# Altium PCB Shuttler_AMC.PcbDoc (part 8 of 12) (continued)
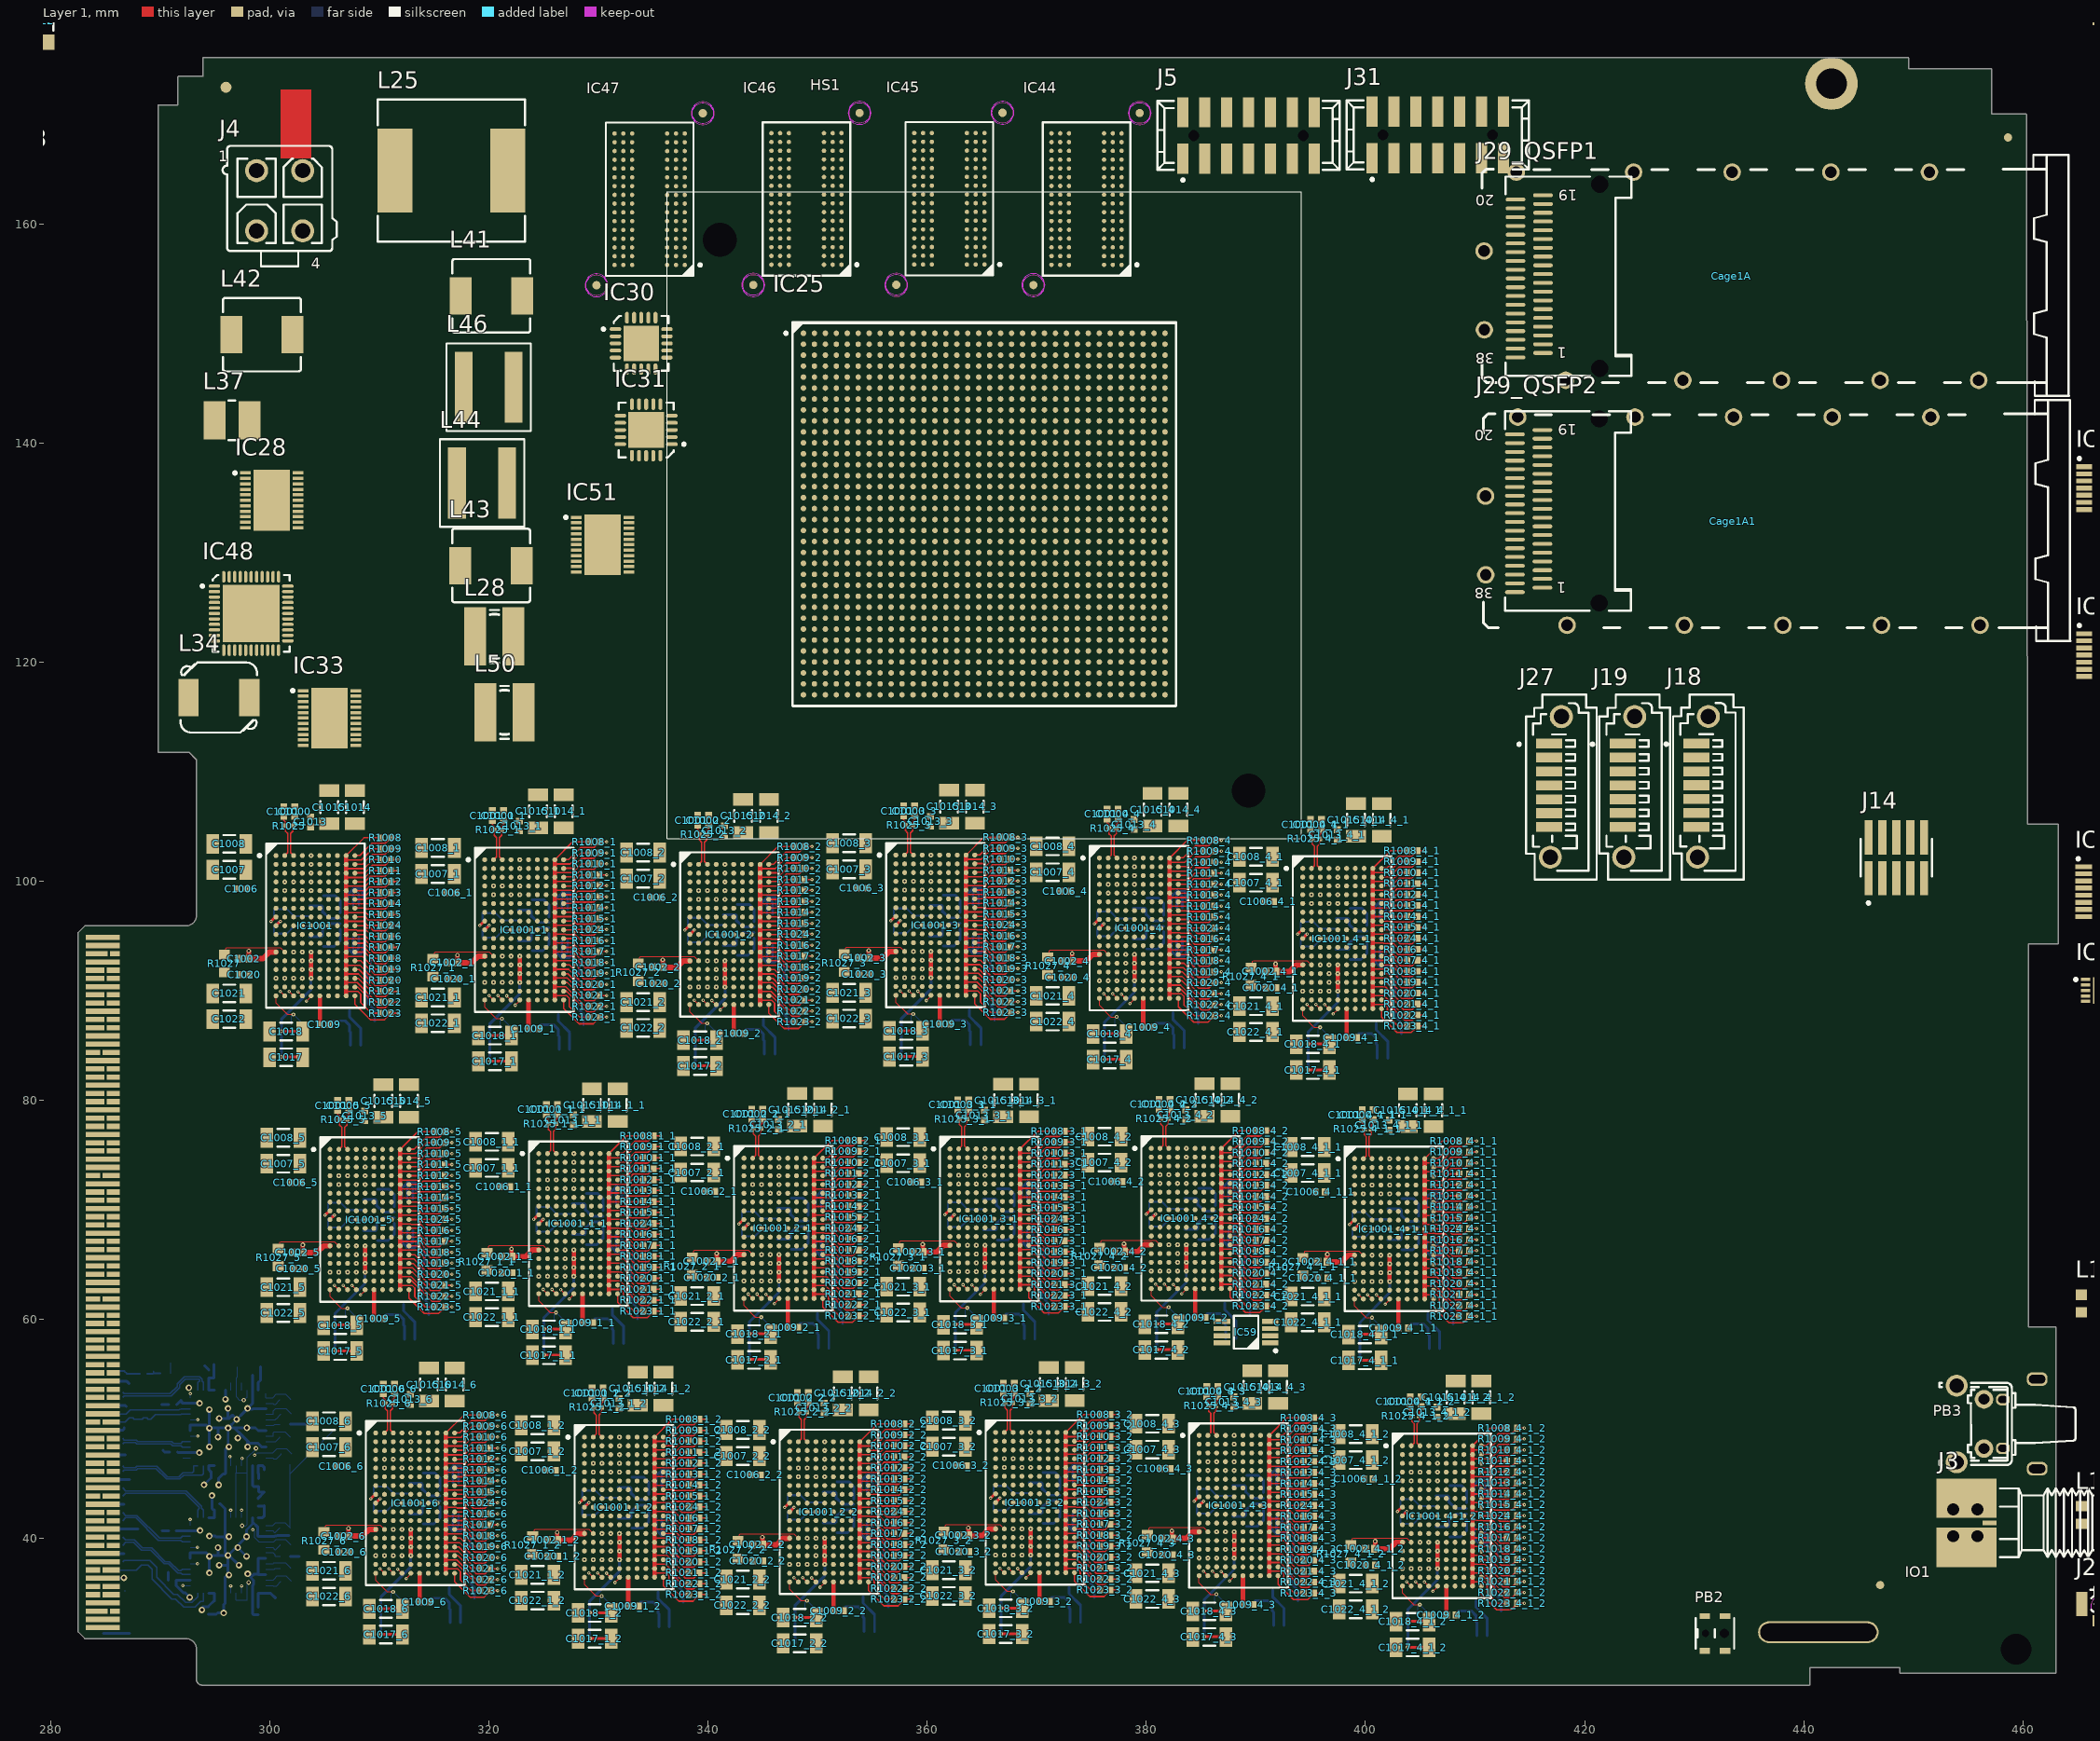
[diagram p0: Layer 1 view]
## Nets (pads, with @x,y where several pads share a name; then routed paths per layer and width w, separated by ;. In a path a pad name is that pad's centre, name@x,y a point inside that pad or via, vN(x,y) a via of type N, cw(c..) or ccw(c..) an arc to the next point about the centre after c; other vN are vias at no path point) (continued)
IC1001.F2 IC1001.F3 IC1001.F4 IC1001.F5 IC1001.F6 IC1001.F7 IC1001.F8 IC1001.F9 IC1001.F10 IC1001.G1 IC1001.G2 IC1001.G3 IC1001.G4 IC1001.G5 IC1001.G6 IC1001.G7 IC1001.G8 IC1001.G9 IC1001.G10 IC1001.H1 IC1001.H2 IC1001.H3 IC1001.H4 IC1001.H5 IC1001.H6 IC1001.H7 IC1001.H8 IC1001.H9 IC1001.H10 IC1001.J1 IC1001.J2 IC1001.J3 IC1001.J4 IC1001.J5 IC1001.J6 IC1001.J7 IC1001.J8 IC1001.J9 IC1001.J10 IC1001.K1 IC1001.K2 IC1001.K3 IC1001.K4 IC1001.K5 IC1001.K6 IC1001.K7 IC1001.K8 IC1001.K9 IC1001.K10 IC1001.L1 IC1001.L2 IC1001.L3 IC1001.L4 IC1001.L5 IC1001.L6 IC1001.L7 IC1001.L8 IC1001.L9 IC1001.L10 IC1001.M1 IC1001.M2 IC1001.M3 IC1001.M4 IC1001.M5 IC1001.M6 IC1001.M7 IC1001.M8 IC1001.M9 IC1001.M10 IC1001.N1 IC1001.N2 IC1001.N3 IC1001.N4 IC1001.N5 IC1001.N6 IC1001.N7 IC1001.N8 IC1001.N9 IC1001.N10 IC1001.P1 IC1001.P2 IC1001.P3 IC1001.P4 IC1001.P5 IC1001.P6 IC1001.P7 IC1001.P8 IC1001.P9 IC1001.P10 IC1001.Q1 IC1001.Q2 IC1001.Q3 IC1001.Q4 IC1001.Q5 IC1001.Q6 IC1001.Q7 IC1001.Q8 IC1001.Q9 IC1001.Q10 IC1001.R1 IC1001.R2 IC1001.R3 IC1001.R4 IC1001.R5 IC1001.R6 IC1001.R7 IC1001.R8 IC1001.R9 IC1001.R10 IC1001.S1 IC1001.S2 IC1001.S3 IC1001.S4 IC1001.S5 IC1001.S6 IC1001.S7 IC1001.S8 IC1001.S9 IC1001.S10 IC1001_1.A1 IC1001_1.A2 IC1001_1.A3 IC1001_1.A4 IC1001_1.A5 IC1001_1.A6 IC1001_1.A7 IC1001_1.A8 IC1001_1.A9 IC1001_1.A10 IC1001_1.B1 IC1001_1.B2 IC1001_1.B3 IC1001_1.B4 IC1001_1.B5 IC1001_1.B6 IC1001_1.B7 IC1001_1.B8 IC1001_1.B9 IC1001_1.B10 IC1001_1.C1 IC1001_1.C2 IC1001_1.C3 IC1001_1.C4 IC1001_1.C5 IC1001_1.C6 IC1001_1.C7 IC1001_1.C8 IC1001_1.C9 IC1001_1.C10 IC1001_1.D1 IC1001_1.D2 IC1001_1.D3 IC1001_1.D4 IC1001_1.D5 IC1001_1.D6 IC1001_1.D7 IC1001_1.D8 IC1001_1.D9 IC1001_1.D10 IC1001_1.E1 IC1001_1.E2 IC1001_1.E3 IC1001_1.E4 IC1001_1.E5 IC1001_1.E6 IC1001_1.E7 IC1001_1.E8 IC1001_1.E9 IC1001_1.E10 IC1001_1.F1 IC1001_1.F2 IC1001_1.F3 IC1001_1.F4 IC1001_1.F5 IC1001_1.F6 IC1001_1.F7 IC1001_1.F8 IC1001_1.F9 IC1001_1.F10 IC1001_1.G1 IC1001_1.G2 IC1001_1.G3 IC1001_1.G4 IC1001_1.G5 IC1001_1.G6 IC1001_1.G7 IC1001_1.G8 IC1001_1.G9 IC1001_1.G10 IC1001_1.H1 IC1001_1.H2 IC1001_1.H3 IC1001_1.H4 IC1001_1.H5 IC1001_1.H6 IC1001_1.H7 IC1001_1.H8 IC1001_1.H9 IC1001_1.H10 IC1001_1.J1 IC1001_1.J2 IC1001_1.J3 IC1001_1.J4 IC1001_1.J5 IC1001_1.J6 IC1001_1.J7 IC1001_1.J8 IC1001_1.J9 IC1001_1.J10 IC1001_1.K1 IC1001_1.K2 IC1001_1.K3 IC1001_1.K4 IC1001_1.K5 IC1001_1.K6 IC1001_1.K7 IC1001_1.K8 IC1001_1.K9 IC1001_1.K10 IC1001_1.L1 IC1001_1.L2 IC1001_1.L3 IC1001_1.L4 IC1001_1.L5 IC1001_1.L6 IC1001_1.L7 IC1001_1.L8 IC1001_1.L9 IC1001_1.L10 IC1001_1.M1 IC1001_1.M2 IC1001_1.M3 IC1001_1.M4 IC1001_1.M5 IC1001_1.M6 IC1001_1.M7 IC1001_1.M8 IC1001_1.M9 IC1001_1.M10 IC1001_1.N1 IC1001_1.N2 IC1001_1.N3 IC1001_1.N4 IC1001_1.N5 IC1001_1.N6 IC1001_1.N7 IC1001_1.N8 IC1001_1.N9 IC1001_1.N10 IC1001_1.P1 IC1001_1.P2 IC1001_1.P3 IC1001_1.P4 IC1001_1.P5 IC1001_1.P6 IC1001_1.P7 IC1001_1.P8 IC1001_1.P9 IC1001_1.P10 IC1001_1.Q1 IC1001_1.Q2 IC1001_1.Q3 IC1001_1.Q4 IC1001_1.Q5 IC1001_1.Q6 IC1001_1.Q7 IC1001_1.Q8 IC1001_1.Q9 IC1001_1.Q10 IC1001_1.R1 IC1001_1.R2 IC1001_1.R3 IC1001_1.R4 IC1001_1.R5 IC1001_1.R6 IC1001_1.R7 IC1001_1.R8 IC1001_1.R9 IC1001_1.R10 IC1001_1.S1 IC1001_1.S2 IC1001_1.S3 IC1001_1.S4 IC1001_1.S5 IC1001_1.S6 IC1001_1.S7 IC1001_1.S8 IC1001_1.S9 IC1001_1.S10 IC1001_1_1.A1 IC1001_1_1.A2 IC1001_1_1.A3 IC1001_1_1.A4 IC1001_1_1.A5 IC1001_1_1.A6 IC1001_1_1.A7 IC1001_1_1.A8 IC1001_1_1.A9 IC1001_1_1.A10 IC1001_1_1.B1 IC1001_1_1.B2 IC1001_1_1.B3 IC1001_1_1.B4 IC1001_1_1.B5 IC1001_1_1.B6 IC1001_1_1.B7 IC1001_1_1.B8 IC1001_1_1.B9 IC1001_1_1.B10 IC1001_1_1.C1 IC1001_1_1.C2 IC1001_1_1.C3 IC1001_1_1.C4 IC1001_1_1.C5 IC1001_1_1.C6 IC1001_1_1.C7 IC1001_1_1.C8 IC1001_1_1.C9 IC1001_1_1.C10 IC1001_1_1.D1 IC1001_1_1.D2 IC1001_1_1.D3 IC1001_1_1.D4 IC1001_1_1.D5 IC1001_1_1.D6 IC1001_1_1.D7 IC1001_1_1.D8 IC1001_1_1.D9 IC1001_1_1.D10 IC1001_1_1.E1 IC1001_1_1.E2 IC1001_1_1.E3 IC1001_1_1.E4 IC1001_1_1.E5 IC1001_1_1.E6 IC1001_1_1.E7 IC1001_1_1.E8 IC1001_1_1.E9 IC1001_1_1.E10 IC1001_1_1.F1 IC1001_1_1.F2 IC1001_1_1.F3 IC1001_1_1.F4 IC1001_1_1.F5 IC1001_1_1.F6 IC1001_1_1.F7 IC1001_1_1.F8 IC1001_1_1.F9 IC1001_1_1.F10 IC1001_1_1.G1 IC1001_1_1.G2 IC1001_1_1.G3 IC1001_1_1.G4 IC1001_1_1.G5 IC1001_1_1.G6 IC1001_1_1.G7 IC1001_1_1.G8 IC1001_1_1.G9 IC1001_1_1.G10 IC1001_1_1.H1 IC1001_1_1.H2 IC1001_1_1.H3 IC1001_1_1.H4 IC1001_1_1.H5 IC1001_1_1.H6 IC1001_1_1.H7 IC1001_1_1.H8 IC1001_1_1.H9 IC1001_1_1.H10 IC1001_1_1.J1 IC1001_1_1.J2 IC1001_1_1.J3 IC1001_1_1.J4 IC1001_1_1.J5 IC1001_1_1.J6 IC1001_1_1.J7 IC1001_1_1.J8 IC1001_1_1.J9 IC1001_1_1.J10 IC1001_1_1.K1 IC1001_1_1.K2 IC1001_1_1.K3 IC1001_1_1.K4 IC1001_1_1.K5 IC1001_1_1.K6 IC1001_1_1.K7 IC1001_1_1.K8 IC1001_1_1.K9 IC1001_1_1.K10 IC1001_1_1.L1 IC1001_1_1.L2 IC1001_1_1.L3 IC1001_1_1.L4 IC1001_1_1.L5 IC1001_1_1.L6 IC1001_1_1.L7 IC1001_1_1.L8 IC1001_1_1.L9 IC1001_1_1.L10 IC1001_1_1.M1 IC1001_1_1.M2 IC1001_1_1.M3 IC1001_1_1.M4 IC1001_1_1.M5 IC1001_1_1.M6 IC1001_1_1.M7 IC1001_1_1.M8 IC1001_1_1.M9 IC1001_1_1.M10 IC1001_1_1.N1 IC1001_1_1.N2 IC1001_1_1.N3 IC1001_1_1.N4 IC1001_1_1.N5 IC1001_1_1.N6 IC1001_1_1.N7 IC1001_1_1.N8 IC1001_1_1.N9 IC1001_1_1.N10 IC1001_1_1.P1 IC1001_1_1.P2 IC1001_1_1.P3 IC1001_1_1.P4 IC1001_1_1.P5 IC1001_1_1.P6 IC1001_1_1.P7 IC1001_1_1.P8 IC1001_1_1.P9 IC1001_1_1.P10 IC1001_1_1.Q1 IC1001_1_1.Q2 IC1001_1_1.Q3 IC1001_1_1.Q4 IC1001_1_1.Q5 IC1001_1_1.Q6 IC1001_1_1.Q7 IC1001_1_1.Q8 IC1001_1_1.Q9 IC1001_1_1.Q10 IC1001_1_1.R1 IC1001_1_1.R2 IC1001_1_1.R3 IC1001_1_1.R4 IC1001_1_1.R5 IC1001_1_1.R6 IC1001_1_1.R7 IC1001_1_1.R8 IC1001_1_1.R9 IC1001_1_1.R10 IC1001_1_1.S1 IC1001_1_1.S2 IC1001_1_1.S3 IC1001_1_1.S4 IC1001_1_1.S5 IC1001_1_1.S6 IC1001_1_1.S7 IC1001_1_1.S8 IC1001_1_1.S9 IC1001_1_1.S10 IC1001_1_2.A1 IC1001_1_2.A2 IC1001_1_2.A3 IC1001_1_2.A4 IC1001_1_2.A5 IC1001_1_2.A6 IC1001_1_2.A7 IC1001_1_2.A8 IC1001_1_2.A9 IC1001_1_2.A10 IC1001_1_2.B1 IC1001_1_2.B2 IC1001_1_2.B3 IC1001_1_2.B4 IC1001_1_2.B5 IC1001_1_2.B6 IC1001_1_2.B7 IC1001_1_2.B8 IC1001_1_2.B9 IC1001_1_2.B10 IC1001_1_2.C1 IC1001_1_2.C2 IC1001_1_2.C3 IC1001_1_2.C4 IC1001_1_2.C5 IC1001_1_2.C6 IC1001_1_2.C7 IC1001_1_2.C8 IC1001_1_2.C9 IC1001_1_2.C10 IC1001_1_2.D1 IC1001_1_2.D2 IC1001_1_2.D3 IC1001_1_2.D4 IC1001_1_2.D5 IC1001_1_2.D6 IC1001_1_2.D7 IC1001_1_2.D8 IC1001_1_2.D9 IC1001_1_2.D10 IC1001_1_2.E1 IC1001_1_2.E2 IC1001_1_2.E3 IC1001_1_2.E4 IC1001_1_2.E5 IC1001_1_2.E6 IC1001_1_2.E7 IC1001_1_2.E8 IC1001_1_2.E9 IC1001_1_2.E10 IC1001_1_2.F1 IC1001_1_2.F2 IC1001_1_2.F3 IC1001_1_2.F4 IC1001_1_2.F5 IC1001_1_2.F6 IC1001_1_2.F7 IC1001_1_2.F8 IC1001_1_2.F9 IC1001_1_2.F10 IC1001_1_2.G1 IC1001_1_2.G2 IC1001_1_2.G3 IC1001_1_2.G4 IC1001_1_2.G5 IC1001_1_2.G6 IC1001_1_2.G7 IC1001_1_2.G8 IC1001_1_2.G9 IC1001_1_2.G10 IC1001_1_2.H1 IC1001_1_2.H2 IC1001_1_2.H3 IC1001_1_2.H4 IC1001_1_2.H5 IC1001_1_2.H6 IC1001_1_2.H7 IC1001_1_2.H8 IC1001_1_2.H9 IC1001_1_2.H10 IC1001_1_2.J1 IC1001_1_2.J2 IC1001_1_2.J3 IC1001_1_2.J4 IC1001_1_2.J5 IC1001_1_2.J6 IC1001_1_2.J7 IC1001_1_2.J8 IC1001_1_2.J9 IC1001_1_2.J10 IC1001_1_2.K1 IC1001_1_2.K2 IC1001_1_2.K3 IC1001_1_2.K4 IC1001_1_2.K5 IC1001_1_2.K6 IC1001_1_2.K7 IC1001_1_2.K8 IC1001_1_2.K9 IC1001_1_2.K10 IC1001_1_2.L1 IC1001_1_2.L2 IC1001_1_2.L3 IC1001_1_2.L4 IC1001_1_2.L5 IC1001_1_2.L6 IC1001_1_2.L7 IC1001_1_2.L8 IC1001_1_2.L9 IC1001_1_2.L10 IC1001_1_2.M1 IC1001_1_2.M2 IC1001_1_2.M3 IC1001_1_2.M4 IC1001_1_2.M5 IC1001_1_2.M6 IC1001_1_2.M7 IC1001_1_2.M8 IC1001_1_2.M9 IC1001_1_2.M10 IC1001_1_2.N1 IC1001_1_2.N2 IC1001_1_2.N3 IC1001_1_2.N4 IC1001_1_2.N5 IC1001_1_2.N6 IC1001_1_2.N7 IC1001_1_2.N8 IC1001_1_2.N9 IC1001_1_2.N10 IC1001_1_2.P1 IC1001_1_2.P2 IC1001_1_2.P3 IC1001_1_2.P4 IC1001_1_2.P5 IC1001_1_2.P6 IC1001_1_2.P7 IC1001_1_2.P8 IC1001_1_2.P9 IC1001_1_2.P10 IC1001_1_2.Q1 IC1001_1_2.Q2 IC1001_1_2.Q3 IC1001_1_2.Q4 IC1001_1_2.Q5 IC1001_1_2.Q6 IC1001_1_2.Q7 IC1001_1_2.Q8 IC1001_1_2.Q9 IC1001_1_2.Q10 IC1001_1_2.R1 IC1001_1_2.R2 IC1001_1_2.R3 IC1001_1_2.R4 IC1001_1_2.R5 IC1001_1_2.R6 IC1001_1_2.R7 IC1001_1_2.R8 IC1001_1_2.R9 IC1001_1_2.R10 IC1001_1_2.S1 IC1001_1_2.S2 IC1001_1_2.S3 IC1001_1_2.S4 IC1001_1_2.S5 IC1001_1_2.S6 IC1001_1_2.S7 IC1001_1_2.S8 IC1001_1_2.S9 IC1001_1_2.S10 IC1001_2.A1 IC1001_2.A2 IC1001_2.A3 IC1001_2.A4 IC1001_2.A5 IC1001_2.A6 IC1001_2.A7 IC1001_2.A8 IC1001_2.A9 IC1001_2.A10 IC1001_2.B1 IC1001_2.B2 IC1001_2.B3 IC1001_2.B4 IC1001_2.B5 IC1001_2.B6 IC1001_2.B7 IC1001_2.B8 IC1001_2.B9 IC1001_2.B10 IC1001_2.C1 IC1001_2.C2 IC1001_2.C3 IC1001_2.C4 IC1001_2.C5 IC1001_2.C6 IC1001_2.C7 IC1001_2.C8 IC1001_2.C9 IC1001_2.C10 IC1001_2.D1 IC1001_2.D2 IC1001_2.D3 IC1001_2.D4 IC1001_2.D5 IC1001_2.D6 IC1001_2.D7 IC1001_2.D8 IC1001_2.D9 IC1001_2.D10 IC1001_2.E1 IC1001_2.E2 IC1001_2.E3 IC1001_2.E4 IC1001_2.E5 IC1001_2.E6 IC1001_2.E7 IC1001_2.E8 IC1001_2.E9 IC1001_2.E10 IC1001_2.F1 IC1001_2.F2 IC1001_2.F3 IC1001_2.F4 IC1001_2.F5 IC1001_2.F6 IC1001_2.F7 IC1001_2.F8 IC1001_2.F9 IC1001_2.F10 IC1001_2.G1 IC1001_2.G2 IC1001_2.G3 IC1001_2.G4 IC1001_2.G5 IC1001_2.G6 IC1001_2.G7 IC1001_2.G8 IC1001_2.G9 IC1001_2.G10 IC1001_2.H1 IC1001_2.H2 IC1001_2.H3 IC1001_2.H4 IC1001_2.H5 IC1001_2.H6 IC1001_2.H7 IC1001_2.H8 IC1001_2.H9 IC1001_2.H10 IC1001_2.J1 IC1001_2.J2 IC1001_2.J3 IC1001_2.J4 IC1001_2.J5 IC1001_2.J6 IC1001_2.J7 IC1001_2.J8 IC1001_2.J9 IC1001_2.J10 IC1001_2.K1 IC1001_2.K2 IC1001_2.K3 IC1001_2.K4 IC1001_2.K5 IC1001_2.K6 IC1001_2.K7 IC1001_2.K8 IC1001_2.K9 IC1001_2.K10 IC1001_2.L1 IC1001_2.L2 IC1001_2.L3 IC1001_2.L4 IC1001_2.L5 IC1001_2.L6 IC1001_2.L7 IC1001_2.L8 IC1001_2.L9 IC1001_2.L10 IC1001_2.M1 IC1001_2.M2 IC1001_2.M3 IC1001_2.M4 IC1001_2.M5 IC1001_2.M6 IC1001_2.M7 IC1001_2.M8 IC1001_2.M9 IC1001_2.M10 IC1001_2.N1 IC1001_2.N2 IC1001_2.N3 IC1001_2.N4 IC1001_2.N5 IC1001_2.N6 IC1001_2.N7 IC1001_2.N8 IC1001_2.N9 IC1001_2.N10 IC1001_2.P1 IC1001_2.P2 IC1001_2.P3 IC1001_2.P4 IC1001_2.P5 IC1001_2.P6 IC1001_2.P7 IC1001_2.P8 IC1001_2.P9 IC1001_2.P10 IC1001_2.Q1 IC1001_2.Q2 IC1001_2.Q3 IC1001_2.Q4 IC1001_2.Q5 IC1001_2.Q6 IC1001_2.Q7 IC1001_2.Q8 IC1001_2.Q9 IC1001_2.Q10 IC1001_2.R1 IC1001_2.R2 IC1001_2.R3 IC1001_2.R4 IC1001_2.R5 IC1001_2.R6 IC1001_2.R7 IC1001_2.R8 IC1001_2.R9 IC1001_2.R10 IC1001_2.S1 IC1001_2.S2 IC1001_2.S3 IC1001_2.S4 IC1001_2.S5 IC1001_2.S6 IC1001_2.S7 IC1001_2.S8 IC1001_2.S9 IC1001_2.S10 IC1001_2_1.A1 IC1001_2_1.A2 IC1001_2_1.A3 IC1001_2_1.A4 IC1001_2_1.A5 IC1001_2_1.A6 IC1001_2_1.A7 IC1001_2_1.A8 IC1001_2_1.A9 IC1001_2_1.A10 IC1001_2_1.B1 IC1001_2_1.B2 IC1001_2_1.B3 IC1001_2_1.B4 IC1001_2_1.B5 IC1001_2_1.B6 IC1001_2_1.B7 IC1001_2_1.B8 IC1001_2_1.B9 IC1001_2_1.B10 IC1001_2_1.C1 IC1001_2_1.C2 IC1001_2_1.C3 IC1001_2_1.C4 IC1001_2_1.C5 IC1001_2_1.C6 IC1001_2_1.C7 IC1001_2_1.C8 IC1001_2_1.C9 IC1001_2_1.C10 IC1001_2_1.D1 IC1001_2_1.D2 IC1001_2_1.D3 IC1001_2_1.D4 IC1001_2_1.D5 IC1001_2_1.D6 IC1001_2_1.D7 IC1001_2_1.D8 IC1001_2_1.D9 IC1001_2_1.D10 IC1001_2_1.E1 IC1001_2_1.E2 IC1001_2_1.E3 IC1001_2_1.E4 IC1001_2_1.E5 IC1001_2_1.E6 IC1001_2_1.E7 IC1001_2_1.E8 IC1001_2_1.E9 IC1001_2_1.E10 IC1001_2_1.F1 IC1001_2_1.F2 IC1001_2_1.F3 IC1001_2_1.F4 IC1001_2_1.F5 IC1001_2_1.F6 IC1001_2_1.F7 IC1001_2_1.F8 IC1001_2_1.F9 IC1001_2_1.F10 IC1001_2_1.G1 IC1001_2_1.G2 IC1001_2_1.G3 IC1001_2_1.G4 IC1001_2_1.G5 IC1001_2_1.G6 IC1001_2_1.G7 IC1001_2_1.G8 IC1001_2_1.G9 IC1001_2_1.G10 IC1001_2_1.H1 IC1001_2_1.H2 IC1001_2_1.H3 IC1001_2_1.H4 IC1001_2_1.H5 IC1001_2_1.H6 IC1001_2_1.H7 IC1001_2_1.H8 IC1001_2_1.H9 IC1001_2_1.H10 IC1001_2_1.J1 IC1001_2_1.J2 IC1001_2_1.J3 IC1001_2_1.J4 IC1001_2_1.J5 IC1001_2_1.J6 IC1001_2_1.J7 IC1001_2_1.J8 IC1001_2_1.J9 IC1001_2_1.J10 IC1001_2_1.K1 IC1001_2_1.K2 IC1001_2_1.K3 IC1001_2_1.K4 IC1001_2_1.K5 IC1001_2_1.K6 IC1001_2_1.K7 IC1001_2_1.K8 IC1001_2_1.K9 IC1001_2_1.K10 IC1001_2_1.L1 IC1001_2_1.L2 IC1001_2_1.L3 IC1001_2_1.L4 IC1001_2_1.L5 IC1001_2_1.L6 IC1001_2_1.L7 IC1001_2_1.L8 IC1001_2_1.L9 IC1001_2_1.L10 IC1001_2_1.M1 IC1001_2_1.M2 IC1001_2_1.M3 IC1001_2_1.M4 IC1001_2_1.M5 IC1001_2_1.M6 IC1001_2_1.M7 IC1001_2_1.M8 IC1001_2_1.M9 IC1001_2_1.M10 IC1001_2_1.N1 IC1001_2_1.N2 IC1001_2_1.N3 IC1001_2_1.N4 IC1001_2_1.N5 IC1001_2_1.N6 IC1001_2_1.N7 IC1001_2_1.N8 IC1001_2_1.N9 IC1001_2_1.N10 IC1001_2_1.P1 IC1001_2_1.P2 IC1001_2_1.P3 IC1001_2_1.P4 IC1001_2_1.P5 IC1001_2_1.P6 IC1001_2_1.P7 IC1001_2_1.P8 IC1001_2_1.P9 IC1001_2_1.P10 IC1001_2_1.Q1 IC1001_2_1.Q2 IC1001_2_1.Q3 IC1001_2_1.Q4 IC1001_2_1.Q5 IC1001_2_1.Q6 IC1001_2_1.Q7 IC1001_2_1.Q8 IC1001_2_1.Q9 IC1001_2_1.Q10 IC1001_2_1.R1 IC1001_2_1.R2 IC1001_2_1.R3 IC1001_2_1.R4 IC1001_2_1.R5 IC1001_2_1.R6 IC1001_2_1.R7 IC1001_2_1.R8 IC1001_2_1.R9 IC1001_2_1.R10 IC1001_2_1.S1 IC1001_2_1.S2 IC1001_2_1.S3 IC1001_2_1.S4 IC1001_2_1.S5 IC1001_2_1.S6 IC1001_2_1.S7 IC1001_2_1.S8 IC1001_2_1.S9 IC1001_2_1.S10 IC1001_2_2.A1 IC1001_2_2.A2 IC1001_2_2.A3 IC1001_2_2.A4 IC1001_2_2.A5 IC1001_2_2.A6 IC1001_2_2.A7 IC1001_2_2.A8 IC1001_2_2.A9 IC1001_2_2.A10 IC1001_2_2.B1 IC1001_2_2.B2 IC1001_2_2.B3 IC1001_2_2.B4 IC1001_2_2.B5 IC1001_2_2.B6 IC1001_2_2.B7 IC1001_2_2.B8 IC1001_2_2.B9 IC1001_2_2.B10 IC1001_2_2.C1 IC1001_2_2.C2 IC1001_2_2.C3 IC1001_2_2.C4 IC1001_2_2.C5 IC1001_2_2.C6 IC1001_2_2.C7 IC1001_2_2.C8 IC1001_2_2.C9 IC1001_2_2.C10 IC1001_2_2.D1 IC1001_2_2.D2 IC1001_2_2.D3 IC1001_2_2.D4 IC1001_2_2.D5 IC1001_2_2.D6 IC1001_2_2.D7 IC1001_2_2.D8 IC1001_2_2.D9 IC1001_2_2.D10 IC1001_2_2.E1 IC1001_2_2.E2 IC1001_2_2.E3 IC1001_2_2.E4 IC1001_2_2.E5 IC1001_2_2.E6 IC1001_2_2.E7 IC1001_2_2.E8 IC1001_2_2.E9 IC1001_2_2.E10 IC1001_2_2.F1 IC1001_2_2.F2 IC1001_2_2.F3 IC1001_2_2.F4 IC1001_2_2.F5 IC1001_2_2.F6 IC1001_2_2.F7 IC1001_2_2.F8 IC1001_2_2.F9 IC1001_2_2.F10 IC1001_2_2.G1 IC1001_2_2.G2 IC1001_2_2.G3 IC1001_2_2.G4 IC1001_2_2.G5 IC1001_2_2.G6 IC1001_2_2.G7 IC1001_2_2.G8 IC1001_2_2.G9 IC1001_2_2.G10 IC1001_2_2.H1 IC1001_2_2.H2 IC1001_2_2.H3 IC1001_2_2.H4 IC1001_2_2.H5 IC1001_2_2.H6 IC1001_2_2.H7 IC1001_2_2.H8 IC1001_2_2.H9 IC1001_2_2.H10 IC1001_2_2.J1 IC1001_2_2.J2 IC1001_2_2.J3 IC1001_2_2.J4 IC1001_2_2.J5 IC1001_2_2.J6 IC1001_2_2.J7 IC1001_2_2.J8 IC1001_2_2.J9 IC1001_2_2.J10 IC1001_2_2.K1 IC1001_2_2.K2 IC1001_2_2.K3 IC1001_2_2.K4 IC1001_2_2.K5 IC1001_2_2.K6 IC1001_2_2.K7 IC1001_2_2.K8 IC1001_2_2.K9 IC1001_2_2.K10 IC1001_2_2.L1 IC1001_2_2.L2 IC1001_2_2.L3 IC1001_2_2.L4 IC1001_2_2.L5 IC1001_2_2.L6 IC1001_2_2.L7 IC1001_2_2.L8 IC1001_2_2.L9 IC1001_2_2.L10 IC1001_2_2.M1 IC1001_2_2.M2 IC1001_2_2.M3 IC1001_2_2.M4 IC1001_2_2.M5 IC1001_2_2.M6 IC1001_2_2.M7 IC1001_2_2.M8 IC1001_2_2.M9 IC1001_2_2.M10 IC1001_2_2.N1 IC1001_2_2.N2 IC1001_2_2.N3 IC1001_2_2.N4 IC1001_2_2.N5 IC1001_2_2.N6 IC1001_2_2.N7 IC1001_2_2.N8 IC1001_2_2.N9 IC1001_2_2.N10 IC1001_2_2.P1 IC1001_2_2.P2 IC1001_2_2.P3 IC1001_2_2.P4 IC1001_2_2.P5 IC1001_2_2.P6 IC1001_2_2.P7 IC1001_2_2.P8 IC1001_2_2.P9 IC1001_2_2.P10 IC1001_2_2.Q1 IC1001_2_2.Q2 IC1001_2_2.Q3 IC1001_2_2.Q4 IC1001_2_2.Q5 IC1001_2_2.Q6 IC1001_2_2.Q7 IC1001_2_2.Q8 IC1001_2_2.Q9 IC1001_2_2.Q10 IC1001_2_2.R1 IC1001_2_2.R2 IC1001_2_2.R3 IC1001_2_2.R4 IC1001_2_2.R5 IC1001_2_2.R6 IC1001_2_2.R7 IC1001_2_2.R8 IC1001_2_2.R9 IC1001_2_2.R10 IC1001_2_2.S1 IC1001_2_2.S2 IC1001_2_2.S3 IC1001_2_2.S4 IC1001_2_2.S5 IC1001_2_2.S6 IC1001_2_2.S7 IC1001_2_2.S8 IC1001_2_2.S9 IC1001_2_2.S10 IC1001_3.A1 IC1001_3.A2 IC1001_3.A3 IC1001_3.A4 IC1001_3.A5 IC1001_3.A6 IC1001_3.A7 IC1001_3.A8 IC1001_3.A9 IC1001_3.A10 IC1001_3.B1 IC1001_3.B2 IC1001_3.B3 IC1001_3.B4 IC1001_3.B5 IC1001_3.B6 IC1001_3.B7 IC1001_3.B8 IC1001_3.B9 IC1001_3.B10 IC1001_3.C1 IC1001_3.C2 IC1001_3.C3 IC1001_3.C4 IC1001_3.C5 IC1001_3.C6 IC1001_3.C7 IC1001_3.C8 IC1001_3.C9 IC1001_3.C10 IC1001_3.D1 IC1001_3.D2 IC1001_3.D3 IC1001_3.D4 IC1001_3.D5 IC1001_3.D6 IC1001_3.D7 IC1001_3.D8 IC1001_3.D9 IC1001_3.D10 IC1001_3.E1 IC1001_3.E2 IC1001_3.E3 IC1001_3.E4 IC1001_3.E5 IC1001_3.E6 IC1001_3.E7 IC1001_3.E8 IC1001_3.E9 IC1001_3.E10 IC1001_3.F1 IC1001_3.F2 IC1001_3.F3 IC1001_3.F4 IC1001_3.F5 IC1001_3.F6 IC1001_3.F7 IC1001_3.F8 IC1001_3.F9 IC1001_3.F10 IC1001_3.G1 IC1001_3.G2 IC1001_3.G3 IC1001_3.G4 IC1001_3.G5 IC1001_3.G6 IC1001_3.G7 IC1001_3.G8 IC1001_3.G9 IC1001_3.G10 IC1001_3.H1 IC1001_3.H2 IC1001_3.H3 IC1001_3.H4 IC1001_3.H5 IC1001_3.H6 IC1001_3.H7 IC1001_3.H8 IC1001_3.H9 IC1001_3.H10 IC1001_3.J1 IC1001_3.J2 IC1001_3.J3 IC1001_3.J4 IC1001_3.J5 IC1001_3.J6 IC1001_3.J7 IC1001_3.J8 IC1001_3.J9 IC1001_3.J10 IC1001_3.K1 IC1001_3.K2 IC1001_3.K3 IC1001_3.K4 IC1001_3.K5 IC1001_3.K6 IC1001_3.K7 IC1001_3.K8 IC1001_3.K9 IC1001_3.K10 IC1001_3.L1 IC1001_3.L2 IC1001_3.L3 IC1001_3.L4 IC1001_3.L5 IC1001_3.L6 IC1001_3.L7 IC1001_3.L8 IC1001_3.L9 IC1001_3.L10 IC1001_3.M1 IC1001_3.M2 IC1001_3.M3 IC1001_3.M4 IC1001_3.M5 IC1001_3.M6 IC1001_3.M7 IC1001_3.M8 IC1001_3.M9 IC1001_3.M10 IC1001_3.N1 IC1001_3.N2 IC1001_3.N3 IC1001_3.N4 IC1001_3.N5 IC1001_3.N6 IC1001_3.N7 IC1001_3.N8 IC1001_3.N9 IC1001_3.N10 IC1001_3.P1 IC1001_3.P2 IC1001_3.P3 IC1001_3.P4 IC1001_3.P5 IC1001_3.P6 IC1001_3.P7 IC1001_3.P8 IC1001_3.P9 IC1001_3.P10 IC1001_3.Q1 IC1001_3.Q2 IC1001_3.Q3 IC1001_3.Q4 IC1001_3.Q5 IC1001_3.Q6 IC1001_3.Q7 IC1001_3.Q8 IC1001_3.Q9 IC1001_3.Q10 IC1001_3.R1 IC1001_3.R2 IC1001_3.R3 IC1001_3.R4 IC1001_3.R5 IC1001_3.R6 IC1001_3.R7 IC1001_3.R8 IC1001_3.R9 IC1001_3.R10 IC1001_3.S1 IC1001_3.S2 IC1001_3.S3 IC1001_3.S4 IC1001_3.S5 IC1001_3.S6 IC1001_3.S7 IC1001_3.S8 IC1001_3.S9 IC1001_3.S10 IC1001_3_1.A1 IC1001_3_1.A2 IC1001_3_1.A3 IC1001_3_1.A4 IC1001_3_1.A5 IC1001_3_1.A6 IC1001_3_1.A7 IC1001_3_1.A8 IC1001_3_1.A9 IC1001_3_1.A10 IC1001_3_1.B1 IC1001_3_1.B2 IC1001_3_1.B3 IC1001_3_1.B4 IC1001_3_1.B5 IC1001_3_1.B6 IC1001_3_1.B7 IC1001_3_1.B8 IC1001_3_1.B9 IC1001_3_1.B10 IC1001_3_1.C1 IC1001_3_1.C2 IC1001_3_1.C3 IC1001_3_1.C4 IC1001_3_1.C5 IC1001_3_1.C6 IC1001_3_1.C7 IC1001_3_1.C8 IC1001_3_1.C9 IC1001_3_1.C10 IC1001_3_1.D1 IC1001_3_1.D2 IC1001_3_1.D3 IC1001_3_1.D4 IC1001_3_1.D5 IC1001_3_1.D6 IC1001_3_1.D7 IC1001_3_1.D8 IC1001_3_1.D9 IC1001_3_1.D10 IC1001_3_1.E1 IC1001_3_1.E2 IC1001_3_1.E3 IC1001_3_1.E4 IC1001_3_1.E5 IC1001_3_1.E6 IC1001_3_1.E7 IC1001_3_1.E8 IC1001_3_1.E9 IC1001_3_1.E10 IC1001_3_1.F1 IC1001_3_1.F2 IC1001_3_1.F3 IC1001_3_1.F4 IC1001_3_1.F5 IC1001_3_1.F6 IC1001_3_1.F7 IC1001_3_1.F8 IC1001_3_1.F9 IC1001_3_1.F10 IC1001_3_1.G1 IC1001_3_1.G2 IC1001_3_1.G3 IC1001_3_1.G4 IC1001_3_1.G5 IC1001_3_1.G6 IC1001_3_1.G7 IC1001_3_1.G8 IC1001_3_1.G9 IC1001_3_1.G10 IC1001_3_1.H1 IC1001_3_1.H2 IC1001_3_1.H3 IC1001_3_1.H4 IC1001_3_1.H5 IC1001_3_1.H6 IC1001_3_1.H7 IC1001_3_1.H8 IC1001_3_1.H9 IC1001_3_1.H10 IC1001_3_1.J1 IC1001_3_1.J2 IC1001_3_1.J3 IC1001_3_1.J4 IC1001_3_1.J5 IC1001_3_1.J6 IC1001_3_1.J7 IC1001_3_1.J8 IC1001_3_1.J9 IC1001_3_1.J10 IC1001_3_1.K1 IC1001_3_1.K2 IC1001_3_1.K3 IC1001_3_1.K4 IC1001_3_1.K5 IC1001_3_1.K6 IC1001_3_1.K7 IC1001_3_1.K8 IC1001_3_1.K9 IC1001_3_1.K10 IC1001_3_1.L1 IC1001_3_1.L2 IC1001_3_1.L3 IC1001_3_1.L4 IC1001_3_1.L5 IC1001_3_1.L6 IC1001_3_1.L7 IC1001_3_1.L8 IC1001_3_1.L9 IC1001_3_1.L10 IC1001_3_1.M1 IC1001_3_1.M2 IC1001_3_1.M3 IC1001_3_1.M4 IC1001_3_1.M5 IC1001_3_1.M6 IC1001_3_1.M7 IC1001_3_1.M8 IC1001_3_1.M9 IC1001_3_1.M10 IC1001_3_1.N1 IC1001_3_1.N2 IC1001_3_1.N3 IC1001_3_1.N4 IC1001_3_1.N5 IC1001_3_1.N6 IC1001_3_1.N7 IC1001_3_1.N8 IC1001_3_1.N9 IC1001_3_1.N10 IC1001_3_1.P1 IC1001_3_1.P2 IC1001_3_1.P3 IC1001_3_1.P4 IC1001_3_1.P5 IC1001_3_1.P6 IC1001_3_1.P7 IC1001_3_1.P8 IC1001_3_1.P9 IC1001_3_1.P10 IC1001_3_1.Q1 IC1001_3_1.Q2 IC1001_3_1.Q3 IC1001_3_1.Q4 IC1001_3_1.Q5 IC1001_3_1.Q6 IC1001_3_1.Q7 IC1001_3_1.Q8 IC1001_3_1.Q9 IC1001_3_1.Q10 IC1001_3_1.R1 IC1001_3_1.R2 IC1001_3_1.R3 IC1001_3_1.R4 IC1001_3_1.R5 IC1001_3_1.R6 IC1001_3_1.R7 IC1001_3_1.R8 IC1001_3_1.R9 IC1001_3_1.R10 IC1001_3_1.S1 IC1001_3_1.S2 IC1001_3_1.S3 IC1001_3_1.S4 IC1001_3_1.S5 IC1001_3_1.S6 IC1001_3_1.S7 IC1001_3_1.S8 IC1001_3_1.S9 IC1001_3_1.S10 IC1001_3_2.A1 IC1001_3_2.A2 IC1001_3_2.A3 IC1001_3_2.A4 IC1001_3_2.A5 IC1001_3_2.A6 IC1001_3_2.A7 IC1001_3_2.A8 IC1001_3_2.A9 IC1001_3_2.A10 IC1001_3_2.B1 IC1001_3_2.B2 IC1001_3_2.B3 IC1001_3_2.B4 IC1001_3_2.B5 IC1001_3_2.B6 IC1001_3_2.B7 IC1001_3_2.B8 IC1001_3_2.B9 IC1001_3_2.B10 IC1001_3_2.C1 IC1001_3_2.C2 IC1001_3_2.C3 IC1001_3_2.C4 IC1001_3_2.C5 IC1001_3_2.C6 IC1001_3_2.C7 IC1001_3_2.C8 IC1001_3_2.C9 IC1001_3_2.C10 IC1001_3_2.D1 IC1001_3_2.D2 IC1001_3_2.D3 IC1001_3_2.D4 IC1001_3_2.D5 IC1001_3_2.D6 IC1001_3_2.D7 IC1001_3_2.D8 IC1001_3_2.D9 IC1001_3_2.D10 IC1001_3_2.E1 IC1001_3_2.E2 IC1001_3_2.E3 IC1001_3_2.E4 IC1001_3_2.E5 IC1001_3_2.E6 IC1001_3_2.E7 IC1001_3_2.E8 IC1001_3_2.E9 IC1001_3_2.E10 IC1001_3_2.F1 IC1001_3_2.F2 IC1001_3_2.F3 IC1001_3_2.F4 IC1001_3_2.F5 IC1001_3_2.F6 IC1001_3_2.F7 IC1001_3_2.F8 IC1001_3_2.F9 IC1001_3_2.F10 IC1001_3_2.G1 IC1001_3_2.G2 IC1001_3_2.G3 IC1001_3_2.G4 IC1001_3_2.G5 IC1001_3_2.G6 IC1001_3_2.G7 IC1001_3_2.G8 IC1001_3_2.G9 IC1001_3_2.G10 IC1001_3_2.H1 IC1001_3_2.H2 IC1001_3_2.H3 IC1001_3_2.H4 IC1001_3_2.H5 IC1001_3_2.H6 IC1001_3_2.H7 IC1001_3_2.H8 IC1001_3_2.H9 IC1001_3_2.H10 IC1001_3_2.J1 IC1001_3_2.J2 IC1001_3_2.J3 IC1001_3_2.J4 IC1001_3_2.J5 IC1001_3_2.J6 IC1001_3_2.J7 IC1001_3_2.J8 IC1001_3_2.J9 IC1001_3_2.J10 IC1001_3_2.K1 IC1001_3_2.K2 IC1001_3_2.K3 IC1001_3_2.K4 IC1001_3_2.K5 IC1001_3_2.K6 IC1001_3_2.K7 IC1001_3_2.K8 IC1001_3_2.K9 IC1001_3_2.K10 IC1001_3_2.L1 IC1001_3_2.L2 IC1001_3_2.L3 IC1001_3_2.L4 IC1001_3_2.L5 IC1001_3_2.L6 IC1001_3_2.L7 IC1001_3_2.L8 IC1001_3_2.L9 IC1001_3_2.L10 IC1001_3_2.M1 IC1001_3_2.M2 IC1001_3_2.M3 IC1001_3_2.M4 IC1001_3_2.M5 IC1001_3_2.M6 IC1001_3_2.M7 IC1001_3_2.M8 IC1001_3_2.M9 IC1001_3_2.M10 IC1001_3_2.N1 IC1001_3_2.N2 IC1001_3_2.N3 IC1001_3_2.N4 IC1001_3_2.N5 IC1001_3_2.N6 IC1001_3_2.N7 IC1001_3_2.N8 IC1001_3_2.N9 IC1001_3_2.N10 IC1001_3_2.P1 IC1001_3_2.P2 IC1001_3_2.P3 IC1001_3_2.P4 IC1001_3_2.P5 IC1001_3_2.P6 IC1001_3_2.P7 IC1001_3_2.P8 IC1001_3_2.P9 IC1001_3_2.P10 IC1001_3_2.Q1 IC1001_3_2.Q2 IC1001_3_2.Q3 IC1001_3_2.Q4 IC1001_3_2.Q5 IC1001_3_2.Q6 IC1001_3_2.Q7 IC1001_3_2.Q8 IC1001_3_2.Q9 IC1001_3_2.Q10 IC1001_3_2.R1 IC1001_3_2.R2 IC1001_3_2.R3 IC1001_3_2.R4 IC1001_3_2.R5 IC1001_3_2.R6 IC1001_3_2.R7 IC1001_3_2.R8 IC1001_3_2.R9 IC1001_3_2.R10 IC1001_3_2.S1 IC1001_3_2.S2 IC1001_3_2.S3 IC1001_3_2.S4 IC1001_3_2.S5 IC1001_3_2.S6 IC1001_3_2.S7 IC1001_3_2.S8 IC1001_3_2.S9 IC1001_3_2.S10 IC1001_4.A1 IC1001_4.A2 IC1001_4.A3 IC1001_4.A4 IC1001_4.A5 IC1001_4.A6 IC1001_4.A7 IC1001_4.A8 IC1001_4.A9 IC1001_4.A10 IC1001_4.B1 IC1001_4.B2 IC1001_4.B3 IC1001_4.B4 IC1001_4.B5 IC1001_4.B6 IC1001_4.B7 IC1001_4.B8 IC1001_4.B9 IC1001_4.B10 IC1001_4.C1 IC1001_4.C2 IC1001_4.C3 IC1001_4.C4 IC1001_4.C5 IC1001_4.C6 IC1001_4.C7 IC1001_4.C8 IC1001_4.C9 IC1001_4.C10 IC1001_4.D1 IC1001_4.D2 IC1001_4.D3 IC1001_4.D4 IC1001_4.D5 IC1001_4.D6 IC1001_4.D7 IC1001_4.D8 IC1001_4.D9 IC1001_4.D10 IC1001_4.E1 IC1001_4.E2 IC1001_4.E3 IC1001_4.E4 IC1001_4.E5 IC1001_4.E6 IC1001_4.E7 IC1001_4.E8 IC1001_4.E9 IC1001_4.E10 IC1001_4.F1 IC1001_4.F2 IC1001_4.F3 IC1001_4.F4 IC1001_4.F5 IC1001_4.F6 IC1001_4.F7 IC1001_4.F8 IC1001_4.F9 IC1001_4.F10 IC1001_4.G1 IC1001_4.G2 IC1001_4.G3 IC1001_4.G4 IC1001_4.G5 IC1001_4.G6 IC1001_4.G7 IC1001_4.G8 IC1001_4.G9 IC1001_4.G10 IC1001_4.H1 IC1001_4.H2 IC1001_4.H3 IC1001_4.H4 IC1001_4.H5 IC1001_4.H6 IC1001_4.H7 IC1001_4.H8 IC1001_4.H9 IC1001_4.H10 IC1001_4.J1 IC1001_4.J2 IC1001_4.J3 IC1001_4.J4 IC1001_4.J5 IC1001_4.J6 IC1001_4.J7 IC1001_4.J8 IC1001_4.J9 IC1001_4.J10 IC1001_4.K1 IC1001_4.K2 IC1001_4.K3 IC1001_4.K4 IC1001_4.K5 IC1001_4.K6 IC1001_4.K7 IC1001_4.K8 IC1001_4.K9 IC1001_4.K10 IC1001_4.L1 IC1001_4.L2 IC1001_4.L3 IC1001_4.L4 IC1001_4.L5 IC1001_4.L6 IC1001_4.L7 IC1001_4.L8 IC1001_4.L9 IC1001_4.L10 IC1001_4.M1 IC1001_4.M2 IC1001_4.M3 IC1001_4.M4 IC1001_4.M5 IC1001_4.M6 IC1001_4.M7 IC1001_4.M8 IC1001_4.M9 IC1001_4.M10 IC1001_4.N1 IC1001_4.N2 IC1001_4.N3 IC1001_4.N4 IC1001_4.N5 IC1001_4.N6 IC1001_4.N7 IC1001_4.N8 IC1001_4.N9 IC1001_4.N10 IC1001_4.P1 IC1001_4.P2 IC1001_4.P3 IC1001_4.P4 IC1001_4.P5 IC1001_4.P6 IC1001_4.P7 IC1001_4.P8 IC1001_4.P9 IC1001_4.P10 IC1001_4.Q1 IC1001_4.Q2 IC1001_4.Q3 IC1001_4.Q4 IC1001_4.Q5 IC1001_4.Q6 IC1001_4.Q7 IC1001_4.Q8 IC1001_4.Q9 IC1001_4.Q10 IC1001_4.R1 IC1001_4.R2 IC1001_4.R3 IC1001_4.R4 IC1001_4.R5 IC1001_4.R6 IC1001_4.R7 IC1001_4.R8 IC1001_4.R9 IC1001_4.R10 IC1001_4.S1 IC1001_4.S2 IC1001_4.S3 IC1001_4.S4 IC1001_4.S5 IC1001_4.S6 IC1001_4.S7 IC1001_4.S8 IC1001_4.S9 IC1001_4.S10 IC1001_4_1.A1 IC1001_4_1.A2 IC1001_4_1.A3 IC1001_4_1.A4 IC1001_4_1.A5 IC1001_4_1.A6 IC1001_4_1.A7 IC1001_4_1.A8 IC1001_4_1.A9 IC1001_4_1.A10 IC1001_4_1.B1 IC1001_4_1.B2 IC1001_4_1.B3 IC1001_4_1.B4 IC1001_4_1.B5 IC1001_4_1.B6 IC1001_4_1.B7 IC1001_4_1.B8 IC1001_4_1.B9 IC1001_4_1.B10 IC1001_4_1.C1 IC1001_4_1.C2 IC1001_4_1.C3 IC1001_4_1.C4 IC1001_4_1.C5 IC1001_4_1.C6 IC1001_4_1.C7 IC1001_4_1.C8 IC1001_4_1.C9 IC1001_4_1.C10 IC1001_4_1.D1 IC1001_4_1.D2 IC1001_4_1.D3 IC1001_4_1.D4 IC1001_4_1.D5 IC1001_4_1.D6 IC1001_4_1.D7 IC1001_4_1.D8 IC1001_4_1.D9 IC1001_4_1.D10 IC1001_4_1.E1 IC1001_4_1.E2 IC1001_4_1.E3 IC1001_4_1.E4 IC1001_4_1.E5 IC1001_4_1.E6 IC1001_4_1.E7 IC1001_4_1.E8 IC1001_4_1.E9 IC1001_4_1.E10 IC1001_4_1.F1 IC1001_4_1.F2 IC1001_4_1.F3 IC1001_4_1.F4 IC1001_4_1.F5 IC1001_4_1.F6 IC1001_4_1.F7 IC1001_4_1.F8 IC1001_4_1.F9 IC1001_4_1.F10 IC1001_4_1.G1 IC1001_4_1.G2 IC1001_4_1.G3 IC1001_4_1.G4 IC1001_4_1.G5 IC1001_4_1.G6 IC1001_4_1.G7 IC1001_4_1.G8 IC1001_4_1.G9 IC1001_4_1.G10 IC1001_4_1.H1 IC1001_4_1.H2 IC1001_4_1.H3 IC1001_4_1.H4 IC1001_4_1.H5 IC1001_4_1.H6 IC1001_4_1.H7 IC1001_4_1.H8 IC1001_4_1.H9 IC1001_4_1.H10 IC1001_4_1.J1 IC1001_4_1.J2 IC1001_4_1.J3 IC1001_4_1.J4 IC1001_4_1.J5 IC1001_4_1.J6 IC1001_4_1.J7 IC1001_4_1.J8 IC1001_4_1.J9 IC1001_4_1.J10 IC1001_4_1.K1 IC1001_4_1.K2 IC1001_4_1.K3 IC1001_4_1.K4 IC1001_4_1.K5 IC1001_4_1.K6 IC1001_4_1.K7 IC1001_4_1.K8 IC1001_4_1.K9 IC1001_4_1.K10 IC1001_4_1.L1 IC1001_4_1.L2 IC1001_4_1.L3 IC1001_4_1.L4 IC1001_4_1.L5 IC1001_4_1.L6 IC1001_4_1.L7 IC1001_4_1.L8 IC1001_4_1.L9 IC1001_4_1.L10 IC1001_4_1.M1 IC1001_4_1.M2 IC1001_4_1.M3 IC1001_4_1.M4 IC1001_4_1.M5 IC1001_4_1.M6 IC1001_4_1.M7 IC1001_4_1.M8 IC1001_4_1.M9 IC1001_4_1.M10 IC1001_4_1.N1 IC1001_4_1.N2 IC1001_4_1.N3 IC1001_4_1.N4 IC1001_4_1.N5 IC1001_4_1.N6 IC1001_4_1.N7 IC1001_4_1.N8 IC1001_4_1.N9 IC1001_4_1.N10 IC1001_4_1.P1 IC1001_4_1.P2 IC1001_4_1.P3 IC1001_4_1.P4 IC1001_4_1.P5 IC1001_4_1.P6 IC1001_4_1.P7 IC1001_4_1.P8 IC1001_4_1.P9 IC1001_4_1.P10 IC1001_4_1.Q1 IC1001_4_1.Q2 IC1001_4_1.Q3 IC1001_4_1.Q4 IC1001_4_1.Q5 IC1001_4_1.Q6 IC1001_4_1.Q7 IC1001_4_1.Q8 IC1001_4_1.Q9 IC1001_4_1.Q10 IC1001_4_1.R1 IC1001_4_1.R2 IC1001_4_1.R3 IC1001_4_1.R4 IC1001_4_1.R5 IC1001_4_1.R6 IC1001_4_1.R7 IC1001_4_1.R8 IC1001_4_1.R9 IC1001_4_1.R10 IC1001_4_1.S1 IC1001_4_1.S2 IC1001_4_1.S3 IC1001_4_1.S4 IC1001_4_1.S5 IC1001_4_1.S6 IC1001_4_1.S7 IC1001_4_1.S8 IC1001_4_1.S9 IC1001_4_1.S10 IC1001_4_1_1.A1 IC1001_4_1_1.A2 IC1001_4_1_1.A3 IC1001_4_1_1.A4 IC1001_4_1_1.A5 IC1001_4_1_1.A6 IC1001_4_1_1.A7 IC1001_4_1_1.A8 IC1001_4_1_1.A9 IC1001_4_1_1.A10 IC1001_4_1_1.B1 IC1001_4_1_1.B2 IC1001_4_1_1.B3 IC1001_4_1_1.B4 IC1001_4_1_1.B5 IC1001_4_1_1.B6 IC1001_4_1_1.B7 IC1001_4_1_1.B8 IC1001_4_1_1.B9 IC1001_4_1_1.B10 IC1001_4_1_1.C1 IC1001_4_1_1.C2 IC1001_4_1_1.C3 IC1001_4_1_1.C4 IC1001_4_1_1.C5 IC1001_4_1_1.C6 IC1001_4_1_1.C7 IC1001_4_1_1.C8 IC1001_4_1_1.C9 IC1001_4_1_1.C10 IC1001_4_1_1.D1 IC1001_4_1_1.D2 IC1001_4_1_1.D3 IC1001_4_1_1.D4 IC1001_4_1_1.D5 IC1001_4_1_1.D6 IC1001_4_1_1.D7 IC1001_4_1_1.D8 IC1001_4_1_1.D9 IC1001_4_1_1.D10 IC1001_4_1_1.E1 IC1001_4_1_1.E2 IC1001_4_1_1.E3 IC1001_4_1_1.E4 IC1001_4_1_1.E5 IC1001_4_1_1.E6 IC1001_4_1_1.E7 IC1001_4_1_1.E8 IC1001_4_1_1.E9 IC1001_4_1_1.E10 IC1001_4_1_1.F1 IC1001_4_1_1.F2 IC1001_4_1_1.F3 IC1001_4_1_1.F4 IC1001_4_1_1.F5 IC1001_4_1_1.F6 IC1001_4_1_1.F7 IC1001_4_1_1.F8 IC1001_4_1_1.F9 IC1001_4_1_1.F10 IC1001_4_1_1.G1 IC1001_4_1_1.G2 IC1001_4_1_1.G3 IC1001_4_1_1.G4 IC1001_4_1_1.G5 IC1001_4_1_1.G6 IC1001_4_1_1.G7 IC1001_4_1_1.G8 IC1001_4_1_1.G9 IC1001_4_1_1.G10 IC1001_4_1_1.H1 IC1001_4_1_1.H2 IC1001_4_1_1.H3 IC1001_4_1_1.H4 IC1001_4_1_1.H5 IC1001_4_1_1.H6 IC1001_4_1_1.H7 IC1001_4_1_1.H8 IC1001_4_1_1.H9 IC1001_4_1_1.H10 IC1001_4_1_1.J1 IC1001_4_1_1.J2 IC1001_4_1_1.J3 IC1001_4_1_1.J4 IC1001_4_1_1.J5 IC1001_4_1_1.J6 IC1001_4_1_1.J7 IC1001_4_1_1.J8 IC1001_4_1_1.J9 IC1001_4_1_1.J10 IC1001_4_1_1.K1 IC1001_4_1_1.K2 IC1001_4_1_1.K3 IC1001_4_1_1.K4 IC1001_4_1_1.K5 IC1001_4_1_1.K6 IC1001_4_1_1.K7 IC1001_4_1_1.K8 IC1001_4_1_1.K9 IC1001_4_1_1.K10 IC1001_4_1_1.L1 IC1001_4_1_1.L2 IC1001_4_1_1.L3 IC1001_4_1_1.L4 IC1001_4_1_1.L5 IC1001_4_1_1.L6 IC1001_4_1_1.L7 IC1001_4_1_1.L8 IC1001_4_1_1.L9 IC1001_4_1_1.L10 IC1001_4_1_1.M1